# Altium PCB PCB_ADC.PcbDoc
Units mil, origin at the board's own origin, x right, y up, seen from the top; angles counter-clockwise.
Board outline 2135 x 1735 mil, 4 copper layers (Top Layer, GNDs, Powers, Bottom Layer), stack 33.556 mil thick; 70 components, 77 nets, 370 pads, 139 vias.
Unrouted connection lines stored in the file: 29.
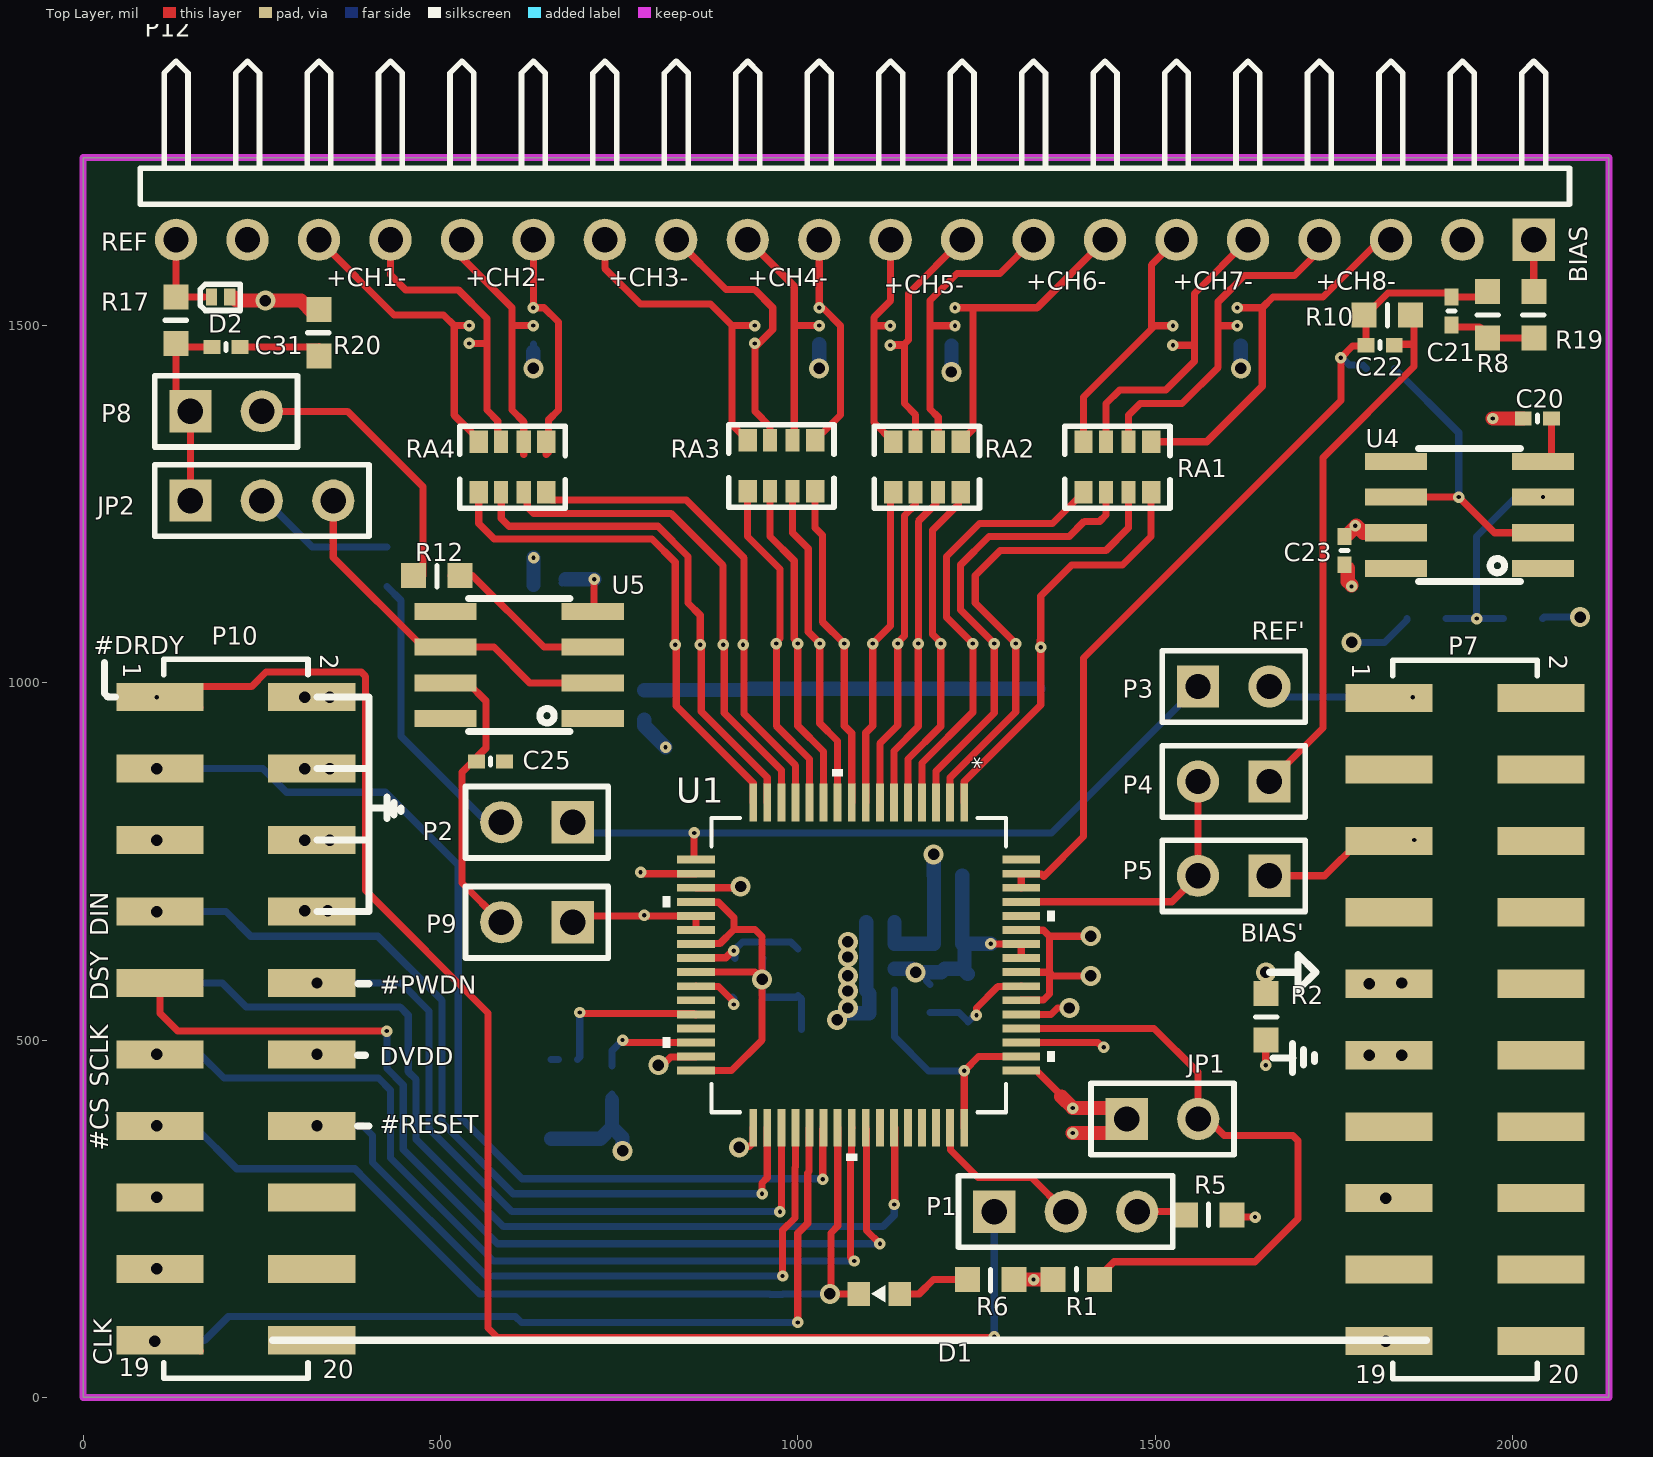
[diagram p0: Top Layer view]
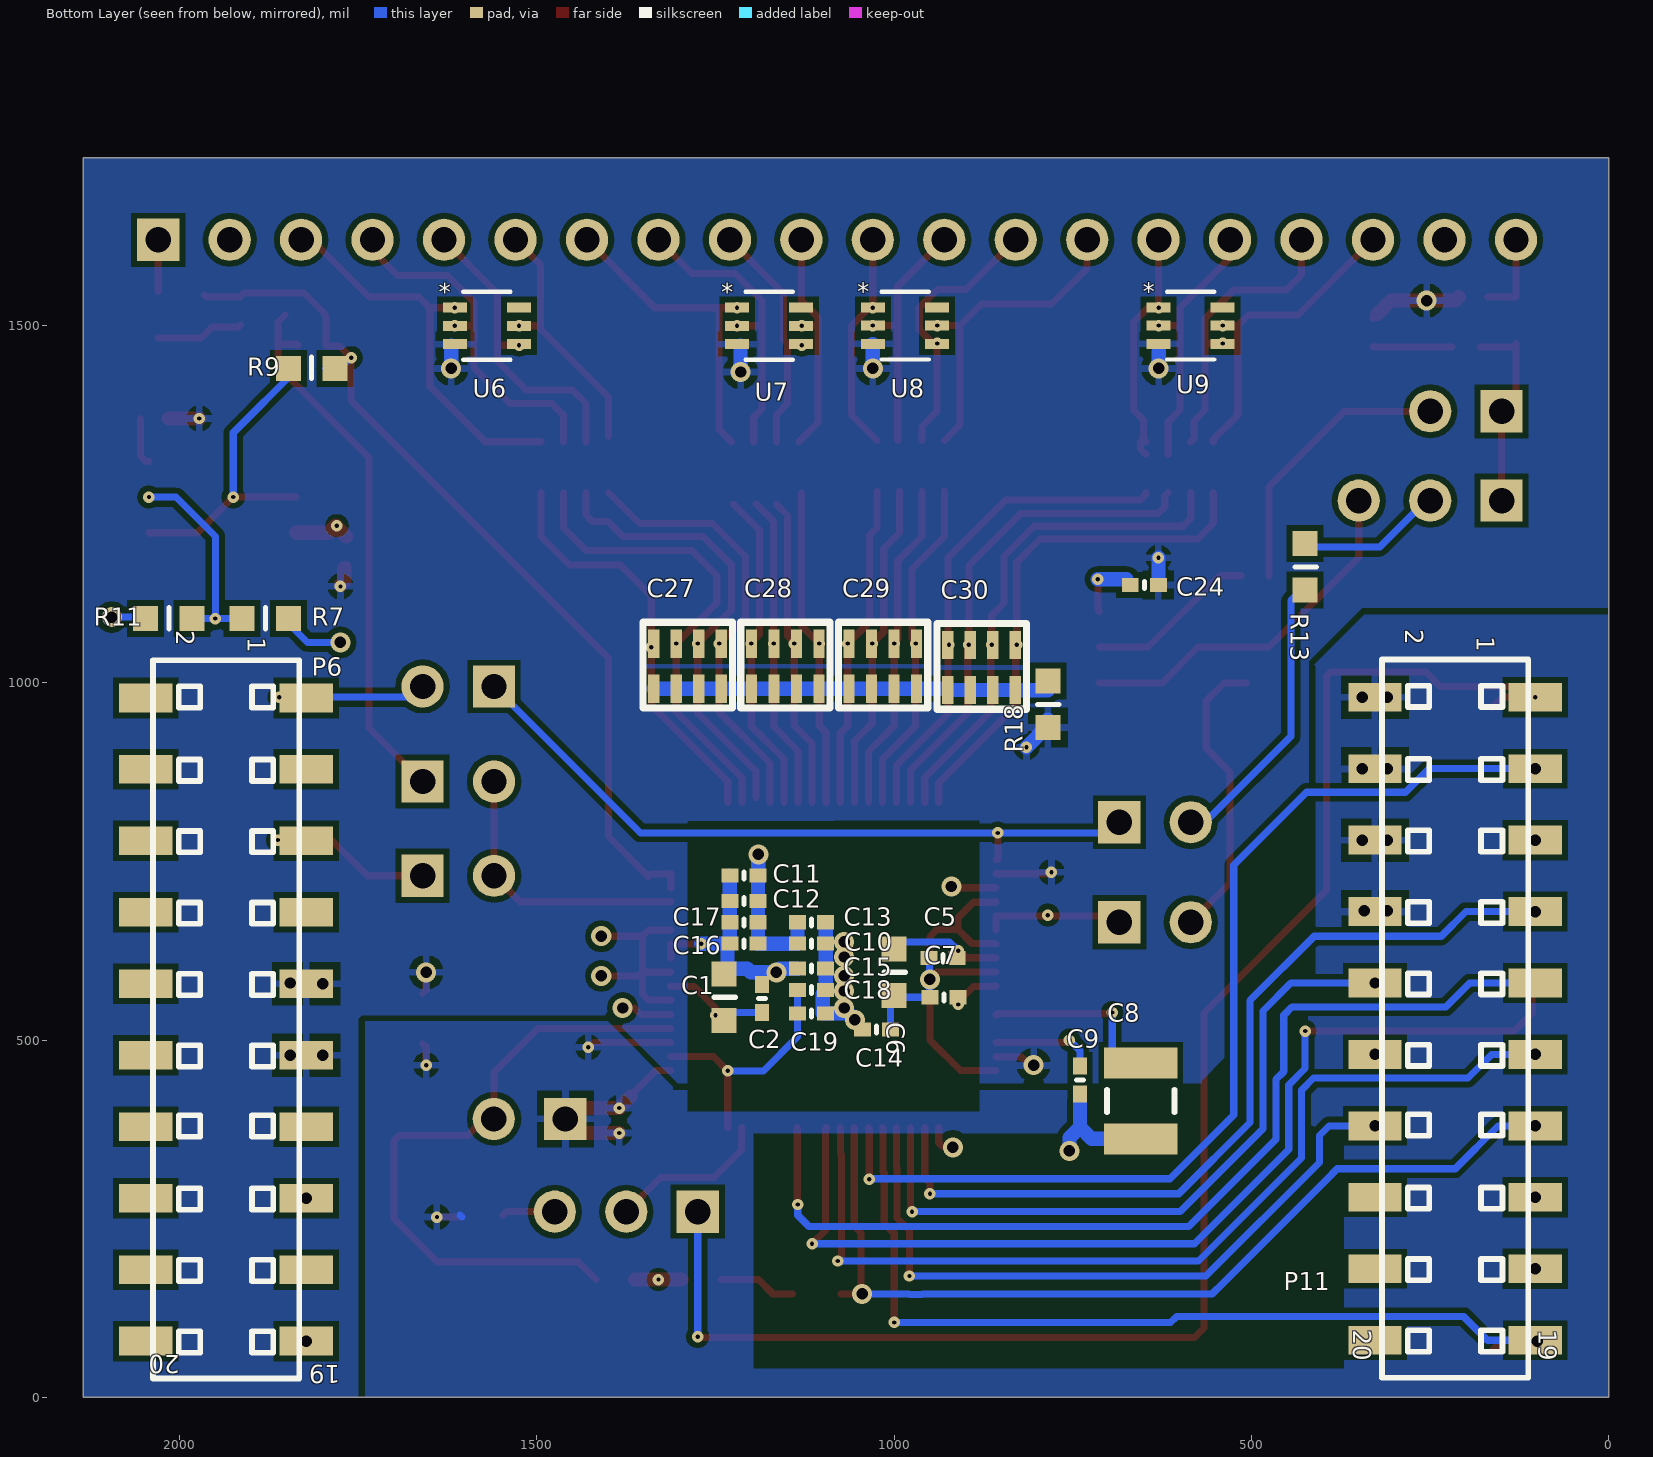
[diagram p1: Bottom Layer view, seen from below]
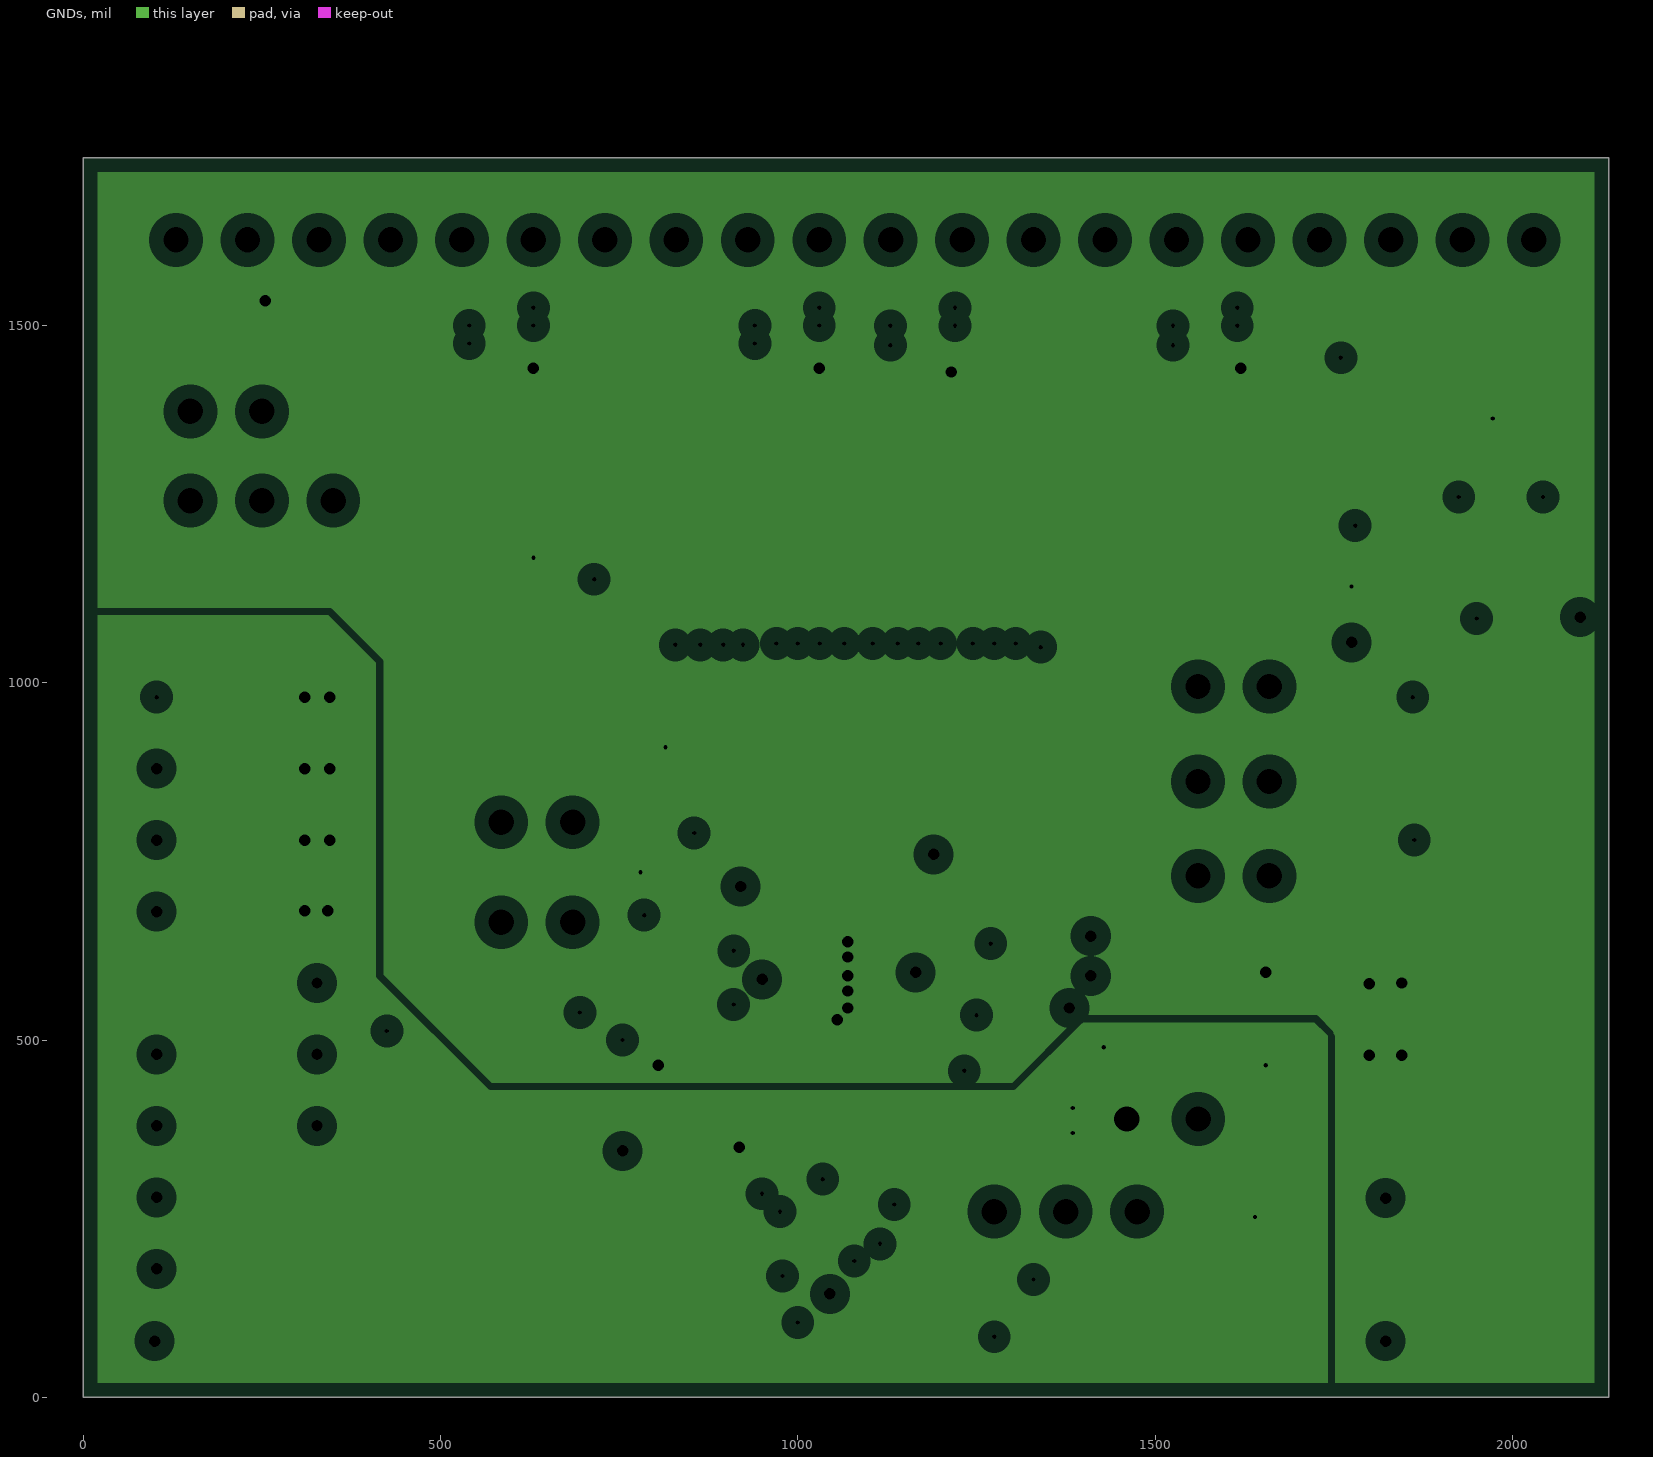
[diagram p2: GNDs, clearances drawn from the general rule]
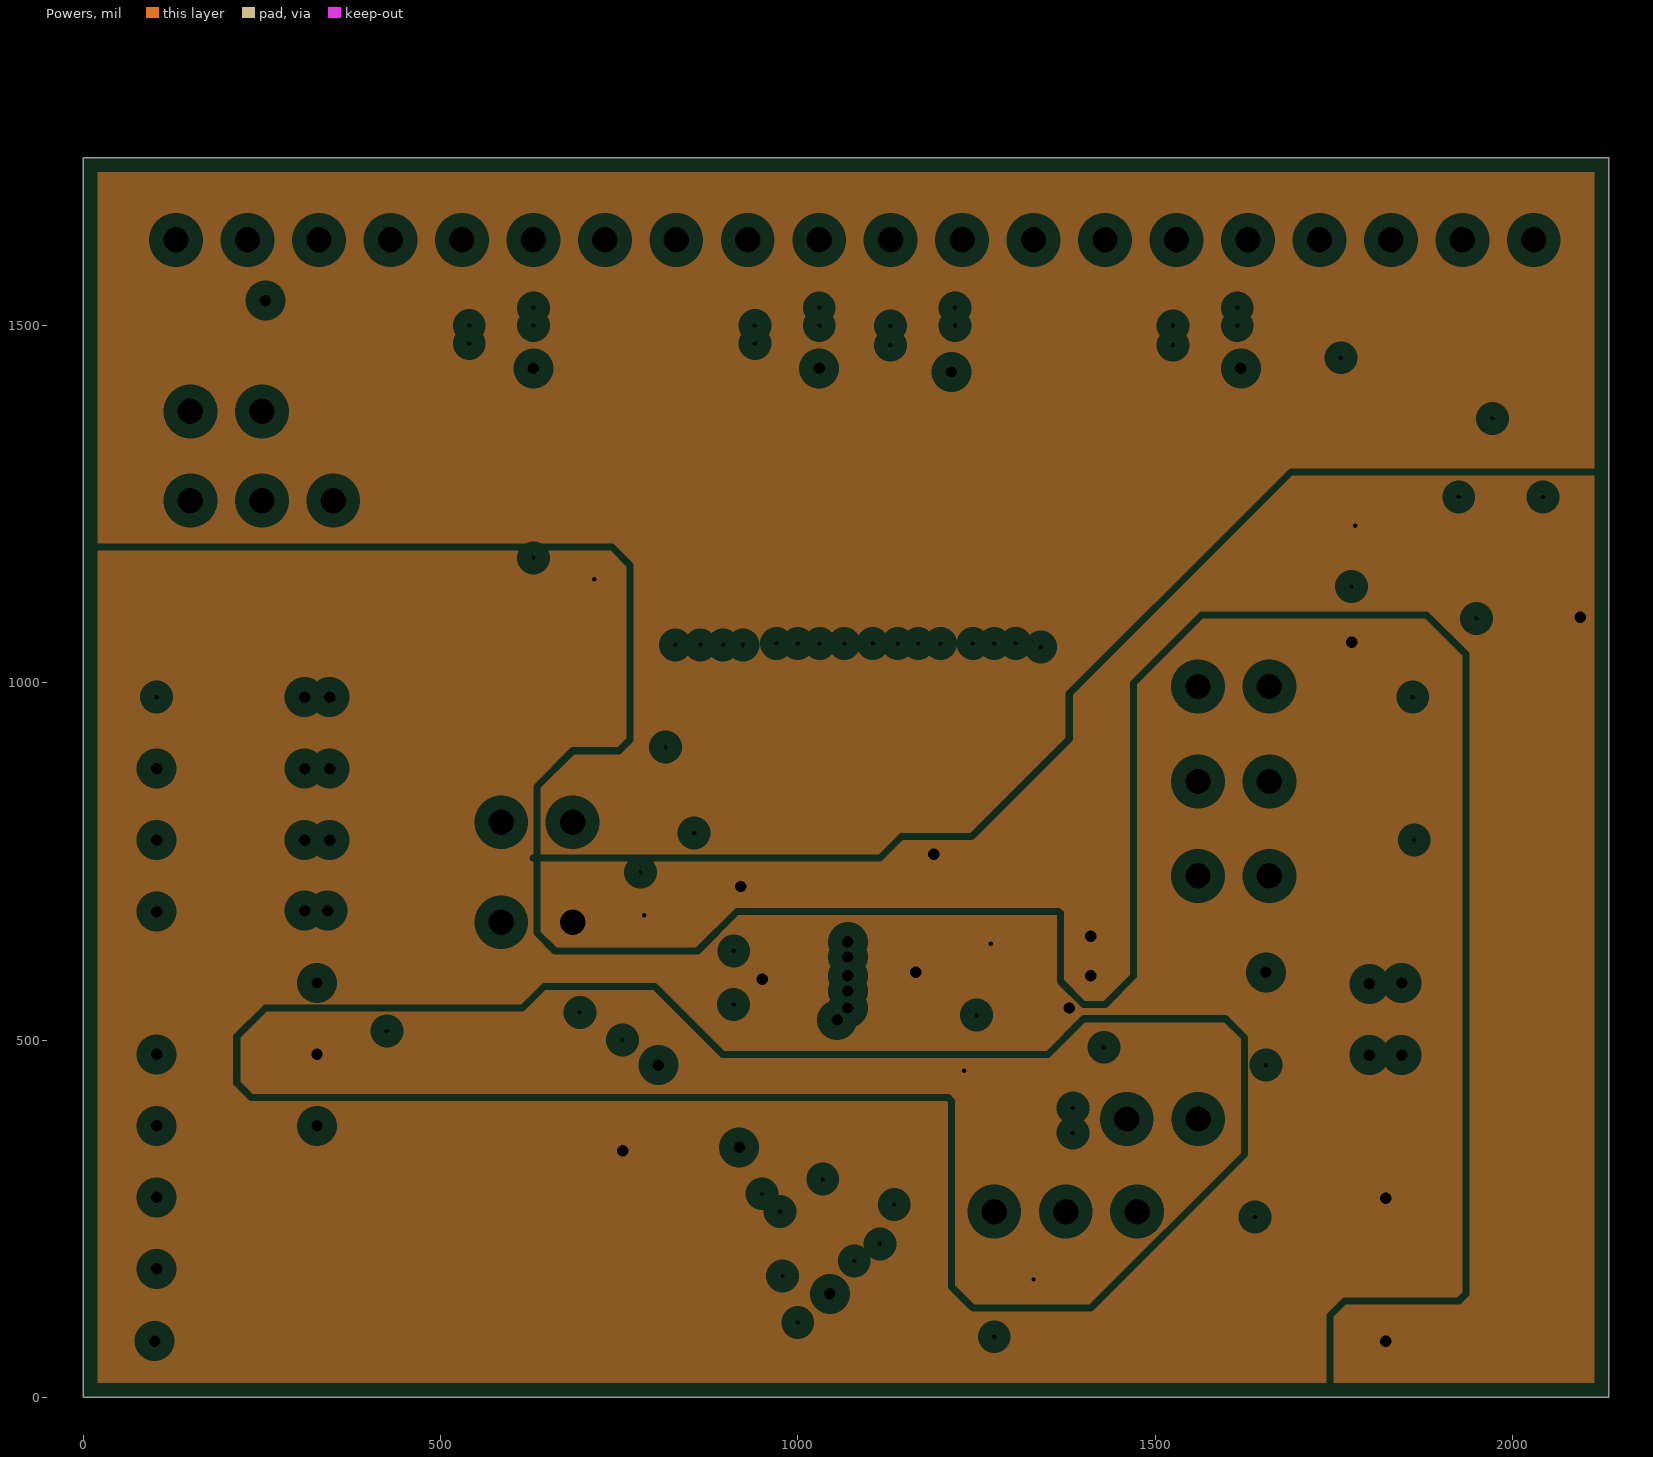
[diagram p3: Powers, clearances drawn from the general rule]

## Layer stack, top to bottom
Top Solder: solder mask 0.4, Solder Resist, Dk 3.5
Top Layer: signal copper 1.4
Dielectric 2: prepreg 2.8, PP-006, Dk 4.1
GNDs: plane copper 1.3779, net AGND
Dielectric3: dielectric 12.6, FR-4, Dk 4.8
Powers: plane copper 1.3779
Dielectric 1: dielectric 12.6, FR-4, Dk 4.8
Bottom Layer: signal copper 1.4
Bottom Solder: solder mask 0.4, Solder Resist, Dk 3.5

## Board outline
0,0 0,1735 2135,1735 2135,0

## Design rules (kind name [scope] priority, off if disabled: settings)
Clearance [All] p1: gap=7 ignorepadtopadclearanceinfootprint=TRUE
PlaneClearance [All] p1: clearance=20
PlaneConnect [All] p1: planeconnectstyle=Direct reliefexpansion=20 reliefentries=4 reliefconductorwidth=10 reliefairgap=10
PolygonConnect [All] p1: connectstyle=Relief reliefconductorwidth=10 reliefentries=4 polygonreliefangle="90 Angle" airgapwidth=10
RoutingVias [All] p1: holewidth=6 width=16 viastyle="Through Hole" minholewidth=6 minwidth=16 maxholewidth=16 maxwidth=28
SolderMaskExpansion [All] p1: expansion=4 istentingtop=FALSE
Width [All] p1: maxlimit=20 minlimit=10 preferedwidth=10
28 further rules are at their usual default settings.

## Components (designator, comment, footprint, x,y, rotation, side; value= is the part's Value field where it differs from the comment)
C1 "Cap" 0603 1238.03,560.02 r90 bottom value=10uF
C2 "Cap" 0402C 1185,558.36 r90 bottom value=0.1uF
C5 "Cap" 0402C 931.81,614.7 r180 bottom value=0.1uF
C6 "Cap" 0603 1000.32,595.02 r90 bottom value=10uF
C7 "Cap" 0402C 930.32,560.02 r180 bottom value=1uf
C8 "Cap" 14-1210 655,415 r90 bottom value=100uF
C9 "Cap" 0402C 740,444.25 r90 bottom value=1uf
C10 "Cap" 0402C 1115.63,635.02 r180 bottom value=1uF
C11 "Cap" 0402C 1210.31,730.32 r180 bottom value=1uF
C12 "Cap" 0402C 1210.31,695 r180 bottom value=0.1uF
C13 "Cap" 0402C 1115.63,665 r180 bottom value=0.1uF
C14 "Cap" 0402C 1024.68,515 r180 bottom value=1uF
C15 "Cap" 0402C 1115.63,600.02 r0 bottom value=1uF
C16 "Cap" 0402C 1210.31,635 r180 bottom value=1uF
C17 "Cap" 0402C 1210.31,665 r180 bottom value=0.1uF
C18 "Cap" 0402C 1115.63,570.02 r180 bottom value=0.1uF
C19 "Cap" 0402C 1115.63,537.52 r180 bottom value=1uF
C20 "Cap" 0402C 2035,1370 r0 top value=1uf
C21 "Cap" 0402C 1915,1520.32 r270 top value=0.01uF
C22 "Cap" 0402C 1815,1472.5 r180 top value=0.01uF
C23 "Cap" 0402C 1765,1185 r90 top value=1uf
C24 "Cap" 0402C 650,1137.01 r180 bottom value=1uF
C25 "Cap" 0402C 570,890 r0 top value=1uF
C27 "50V" 1206C-ARRAY 1336.5,1054.75 r180 bottom
C28 "50V" 1206C-ARRAY 1199.83,1054.75 r180 bottom
C29 "50V" 1206C-ARRAY 1063.16,1054.75 r180 bottom
C30 "50V" 1206C-ARRAY 925,1052.99 r180 bottom
C31 "Cap" 0402C 200,1470 r180 top value=4700pF
D1 "LED" LED_0603_G 1113.74,145 r180 top value=0603-RED
D2 "TPD1E0B04DPYR" 0402D 205,1540 r180 top
JP1 "Header 2" HDR1X2 1460.38,389.72 r0 top
JP2 "Jumper" HDR1X3 150,1255 r0 top
P1 "Header 3" HDR1X3 1275,260 r0 top
P2 "Header 2" HDR1X2 685,805 r180 top
P3 "Header 2" HDR1X2 1560,995 r0 top
P4 "Header 2" HDR1X2 1660,861.87 r180 top
P5 "Header 2" HDR1X2 1660,730 r180 top
P6 "MHDR2X10" HDR2.54-M-LS-2x10P 1935,528.91 r270 bottom
P7 "61002021121" 61002021121 1933.7,528.91 r270 top
P8 "Header 2" HDR1X2 150,1380 r0 top
P9 "Header 2" HDR1X2 685,665 r180 top
P10 "Header 10X2" 61002021121 213.7,530 r270 top
P11 "MHDR2X10" HDR2.54-M-LS-2x10P 215,530 r270 bottom
P12 "Header 20H" HDR1X20H 2030,1620 r180 top
R1 "Res1" 0603 1390,165 r180 top value=10K
R2 "Res3" 0603 1655,532.56 r90 top value=0
R5 "Res1" 0603 1575,255 r180 top value=10K
R6 "Res1" 0603 1270,165 r0 top value=10k
R7 "Res1" 0603 1880,1090 r0 bottom value=2M
R8 "Res1" 0603 1965,1515 r90 top value=4.7K
R9 "Res1" 0603 1815.31,1440 r0 bottom value=0
R10 "Res1" 0603 1825,1515 r0 top value=392K
R11 "Res1" 0603 2015,1090 r0 bottom value=2M
R12 "Res1" 0603 495,1150 r0 top value=0
R13 "Res3" 0603 425,1162.44 r90 bottom value=0
R17 "Res1" 0603 130,1507.5 r270 top value=4.7K
R18 "Res 0805" 0603 785,970 r90 bottom
R19 "Res1" 0603 2030,1515 r270 top value=4.7K
R20 "Res 0805" 0603 329.68,1490 r270 top
RA1 "4D03WGF4701T5E" RES-ARRAY-SMD_0603-8P-L3.2-W1.6-BL 1447.24,1301.98 r180 top value=4.7kΩ
RA2 "4D03WGF4701T5E" RES-ARRAY-SMD_0603-8P-L3.2-W1.6-BL 1180.75,1301.98 r180 top value=4.7kΩ
RA3 "4D03WGF4701T5E" RES-ARRAY-SMD_0603-8P-L3.2-W1.6-BL 977.05,1303.9 r180 top value=4.7kΩ
RA4 "4D03WGF4701T5E" RES-ARRAY-SMD_0603-8P-L3.2-W1.6-BL 600.75,1301.98 r180 top value=4.7kΩ
U1 "ADS1299IPAG" PAG64_TEX 1085.32,605.02 r270 top
U4 "OPA376AID" SOIC8 1940,1235 r90 top
U5 "OPA376AID" SOIC8 610,1025 r90 top
U6 "TPD4E1B06DCKR" DCK6_TEX 1570,1499.7 r180 bottom
U7 "TPD4E1B06DCKR" DCK6_TEX 1175,1499.7 r180 bottom
U8 "TPD4E1B06DCKR" DCK6_TEX 984.75,1500 r180 bottom
U9 "TPD4E1B06DCKR" DCK6_TEX 585.25,1500 r180 bottom

## Footprints (in the part's own frame and the unit in brackets; to place one, negate y for a bottom-side part, rotate by r counter-clockwise, add the part's x,y. Pads: shape width x height; smd on the part's side, far side on the other; paste and mask are expansions set on the pad)
14-1210 [mm] "Chip Resistor, Body 3.2x2.5mm, IPC High Density"
  rect 1.1x2.6 smd: 1(-1.35,0) 2(1.35,0)
  silkscreen extent -0.4,-1.2 0.4,1.2, body extent -1.68,-1.32 1.68,1.32, height 0.9
0402C [mm] "Chip Inductor, Body 1.0x0.5mm, IPC High Density"
  rect 0.6x0.5 smd: 1(-0.5,0) 2(0.5,0)
  silkscreen extent 0,-0.13 0,0.12, body extent -0.5,-0.25 0.5,0.25, height 0.5
0402D [mm]
  rect 0.4x0.6 smd: 1(0,0) 2(0.65,0)
  silkscreen extent -0.38,-0.46 1.04,0.48, body extent -0.17,-0.3 0.83,0.3, height 0.46
0603 [mil] "Chip Inductor, Body 0.6x0.3mm, IPC High Density"
  rect 35x35 smd: 1(-32.5,0) 2(32.5,0)
  silkscreen extent 0,-16 0,14, body extent -34,-16 29,16, height 18
1206C-ARRAY [mm]
  rect 0.4x1 smd: A1(0,0) A2(0.8,0) A3(1.6,0) A4(2.4,0) B1(0,-1.6) B2(0.8,-1.6) B3(1.6,-1.6) B4(2.4,-1.6)
  silkscreen extent -0.38,-2.29 2.79,0.76, body extent -0.33,-1.55 2.72,-0.03, height 1.03
61002021121 [mm] "Pin Header, pitch 2.54 mm, SMD, Vertical, dual row, 20p"
  rect 1x3.1 smd: 1(-11.43,-2.7) 2(-11.43,2.7) 3(-8.89,-2.7) 4(-8.89,2.7) 5(-6.35,-2.7) 6(-6.35,2.7) 7(-3.81,-2.7) 8(-3.81,2.7) 9(-1.27,-2.7) 10(-1.27,2.7) 11(1.27,-2.7) 12(1.27,2.7) 13(3.81,-2.7) 14(3.81,2.7) 15(6.35,-2.7) 16(6.35,2.7) 17(8.89,-2.7) 18(8.89,2.7) 19(11.43,-2.7) 20(11.43,2.7)
  silkscreen extent -12.78,-2.56 12.78,2.57, body extent -12.7,-3.75 12.7,3.75, height 9.62
DCK6_TEX [mil]
  rect 33.5x14 smd paste+0 mask+0: 1(-44.75,25.59) 2(-44.75,0) 3(-44.75,-25.59) 4(44.75,-25.59) 5(44.75,0) 6(44.75,25.59)
  silkscreen extent -33,-48 33,48, body extent -48,-43 48,43, height 43
HDR1X2 [mm] "Connector; Header; 2 Position"
  rect 1.5x1.5 hole 0.9: 1(0,0)
  round 1.5 hole 0.9: 2(2.54,0)
  silkscreen extent -1.27,-1.27 3.81,1.27
HDR1X3 [mm] "Connector; Header; 3 Position"
  rect 1.5x1.5 hole 0.9: 1(0,0)
  round 1.5 hole 0.9: 2(2.54,0) 3(5.08,0)
  silkscreen extent -1.27,-1.27 6.35,1.27
HDR1X20H [mm] "Connector; Header; 20 Position; Right Angle"
  rect 1.5x1.5 hole 0.9: 1(0,0)
  round 1.5 hole 0.9: 2(2.54,0) 3(5.08,0) 4(7.62,0) 5(10.16,0) 6(12.7,0) 7(15.24,0) 8(17.78,0) 9(20.32,0) 10(22.86,0) 11(25.4,0) 12(27.94,0) 13(30.48,0) 14(33.02,0) 15(35.56,0) 16(38.1,0) 17(40.64,0) 18(43.18,0) 19(45.72,0) 20(48.26,0)
  silkscreen extent -1.27,-6.35 49.53,-1.27
HDR2.54-M-LS-2x10P [mm] "脚距：2.54mm，贴片双排母"
  rect 1.02x1.9 smd: 1(-11.43,2.85) 2(-11.43,-2.85) 3(-8.89,2.85) 4(-8.89,-2.85) 5(-6.35,2.85) 6(-6.35,-2.85) 7(-3.81,2.85) 8(-3.81,-2.85) 9(-1.27,2.85) 10(-1.27,-2.85) 11(1.27,2.85) 12(1.27,-2.85) 13(3.81,2.85) 14(3.81,-2.85) 15(6.35,2.85) 16(6.35,-2.85) 17(8.89,2.85) 18(8.89,-2.85) 19(11.43,2.85) 20(11.43,-2.85)
  silkscreen extent -12.77,-2.6 12.76,2.6, body extent -12.73,-3.2 12.73,3.2, height 5.15
LED_0603_G [mm]
  rect 0.8x0.85 smd: 1(-0.73,0) 2(0.73,0)
  silkscreen extent -0.22,-0.3 0.28,0.3, body extent -0.81,-0.4 0.81,0.4, height 0.6